# Altium PCB EL6905.PcbDoc (part 2 of 2)
Units mm, origin at the board's own origin, x right, y up, seen from the top; angles counter-clockwise.
Board outline 61 x 34 mm, 6 copper layers (L1_TOP, L2_GND, L3_HS, L4_POWER, L5_GND, L6_BOT), stack 1.565 mm thick; 99 components, 73 nets, 328 pads, 161 vias.
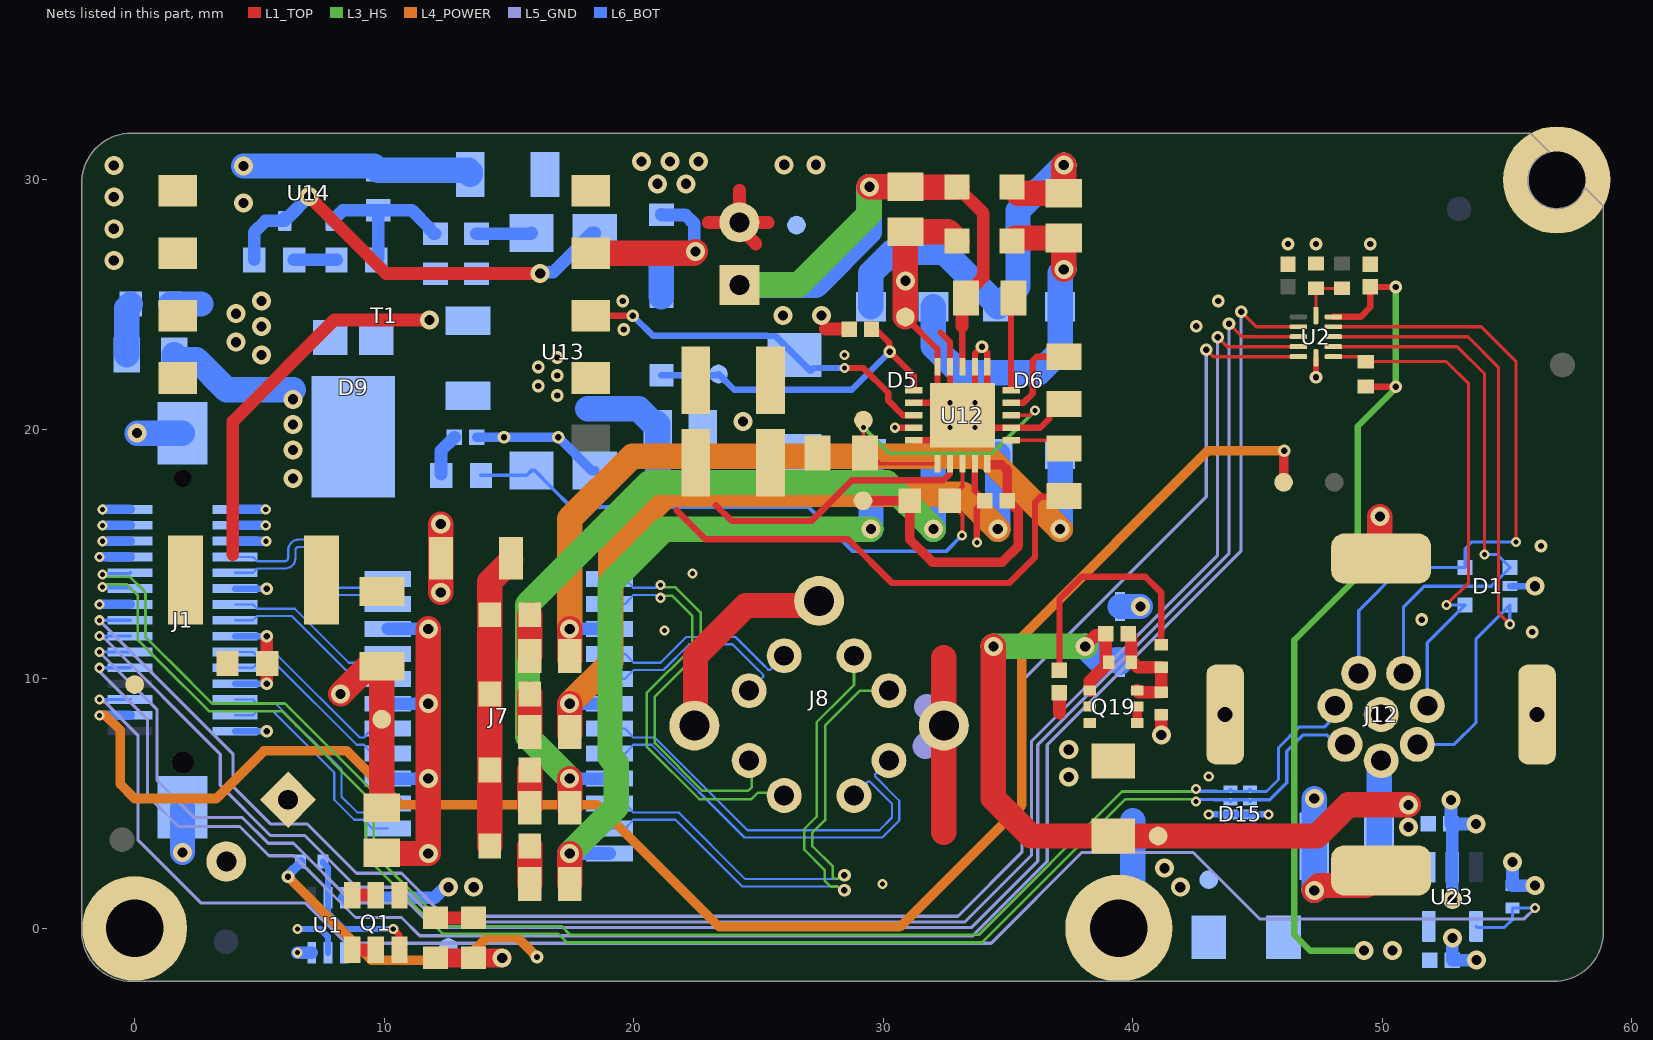
[diagram p6: the nets of this part, all layers, seen from the top]

## Via types
v1: diameter 0.762, hole 0.406, L1_TOP to L6_BOT, tented both sides, 76 vias
v2: diameter 0.406, hole 0.203, L1_TOP to L6_BOT, tented both sides, 46 vias
v3: diameter 0.508, hole 0.254, L1_TOP to L6_BOT, tented both sides, 39 vias

## Nets (pads, with @x,y where several pads share a name; then routed paths per layer and width w, separated by ;. In a path a pad name is that pad's centre, name@x,y a point inside that pad or via, vN(x,y) a via of type N, cw(c..) or ccw(c..) an arc to the next point about the centre after c; other vN are vias at no path point) (continued)
3V3: J1.29 TP4.1 | length 68.2
  L1_TOP w0.381: TP4.1@46.05,17.882 46.063,17.894 46.063,19.139 v3(46.076,19.152)
  L4_POWER w0.381: v2@-1.407,8.54 -1.174,8.54 -0.58,7.946 -0.58,5.787 0,5.207 3.277,5.207 5.182,7.112 8.509,7.112 10.668,4.953 18.542,4.953 23.432,0.063 30.67,0.063 35.56,4.953 35.56,11.684 43.028,19.152 v3@46.041,19.152
  L6_BOT w0.381: v2(-1.414,8.54) J1.29@-0.18,8.54
5V_PoE: C84.2 C90.1 C92.2 L5.2 Q1.1 Q1.2 Q1.5 Q1.6 R85.2 R90.2 TP28.1 U1.3 | length 17.4
  L1_TOP w0.508: 3.937,14.986 3.937,20.32 8.001,24.384 v1(11.811,24.384) ; Q1.1@8.717,-0.864 Q1.2@9.667,-0.864 ; Q1.6@8.717,1.336 Q1.5@9.667,1.336
  L6_BOT w0.508: v2(6.528,-0.973) U1.3@7.097,-0.973
BOOT/I2S_IN_1V8: J1.24 U2.4 | length 72.4
  L1_TOP w0.127: v3(43.409,23.698) 43.791,23.316 U2.4@46.648,23.316
  L5_GND w0.127: v2(-1.414,11.715) -1.338,11.715 -1.243,11.62 -1.206,11.62 3.429,6.985 3.429,5.735 5.438,3.726 6.815,3.726 8.89,1.651 10.744,1.651 12.135,0.26 33.28,0.26 35.941,2.921 35.941,7.493 43.409,14.961 v3(43.409,23.698)
  L6_BOT w0.127: v2(-1.414,11.715) J1.24@-0.18,11.715
BOOT/I2S_IN_5V: D1.1 J12.1 U2.8 | length 22.6
  L1_TOP w0.127: U2.8@48.048,23.316 53.016,23.316 54.102,22.229 v2(54.102,14.986)
  L6_BOT w0.127: J12.1@50.861,10.225 50.861,12.888 51.689,13.716 54.379,13.716 D1.1@55.129,14.466 54.609,14.986 v2(54.102,14.986)
CAM/SoM_FSYNC_1V8: J1.26 U2.2 | length 74.6
  L1_TOP w0.127: v3(44.348,24.716) 44.948,24.116 U2.2@46.648,24.116
  L5_GND w0.127: v2(-1.414,10.445) -1.36,10.392 -1.36,10.25 0.508,8.382 0.508,5.334 1.756,4.086 4.21,4.086 5.385,2.911 6.378,2.911 8.851,0.438 10.693,0.438 11.422,-0.291 33.593,-0.291 36.576,2.691 36.576,7.366 44.348,15.138 v3(44.348,24.716)
  L6_BOT w0.127: v2(-1.414,10.445) J1.26@-0.18,10.445
CAM/SoM_FSYNC_5V: D1.5 J12.2 U2.10 | length 25.5
  L1_TOP w0.127: U2.10@48.048,24.116 53.973,24.116 55.372,22.717 v2(55.372,15.494)
  L6_BOT w0.127: J12.2@49.061,10.225 49.061,12.739 50.788,14.466 D1.5@53.329,14.466 53.329,15.229 53.594,15.494 v2(55.372,15.494)
CT1: C54.2 D5.2 J7.24 | length 28.9
  L1_TOP w1.016: C54.2@17.437,1.778 v1(17.437,3.005)
  L3_HS w1.016: v1(17.437,3.005) 18.694,4.262 19.304,4.872 19.304,6.604 19.05,6.858 19.05,13.818 21.234,16.002 v1(29.515,16.002)
  L6_BOT w0.508: v1(17.437,3.005) J7.24@19.034,3.005
  L6_BOT w1.016: v1(29.515,16.002) D5.2@29.515,19.017
CT2: C53.2 D5.3 J7.21 | length 32.5
  L1_TOP w1.016: C53.2@17.437,4.84 v1(17.437,6.005)
  L3_HS w1.016: v1(17.437,6.005) 15.748,7.694 15.748,12.979 20.644,17.876 30.141,17.876 v1(32.015,16.002)
  L6_BOT w0.508: v1(17.437,6.005) J7.21@19.034,6.005
  L6_BOT w1.016: v1(32.015,16.002) D5.3@32.015,19.017
EROUT: R84.1 R86.2 U12.3 U13.4 | length 24.3
  L1_TOP w0.15: v2(33.162,15.756) 33.178,15.771 33.178,16.574 32.661,17.091 32.661,17.191 33.178,17.708 U12.3@33.178,18.62
  L6_BOT w0.15: R86.2@13.881,18.161 15.717,18.161 U13.4@15.906,18.35 16.036,18.35 16.721,17.665 17.495,16.891 27.012,16.891 28.79,15.113 32.519,15.113 v2(33.162,15.756)
GND: C1.1 C2.1 C3.2 C4.1 C50.1 C55.1 C90.2 C91.1 C92.1 C99.2 C119.1 C120.2 C121.1 D1.2 D15.3 D15.8 D20.1 J1.1 J1.4 J1.7 J1.10 J1.13 J1.19 J1.22 J1.P1 J1.P2 J8.9 J12.8 J12.9 J12.10 J12.11 J12.12 pad. R4.2 R91.1 R106.2 R138.1 T1.9 T1.10 TP30.1 U1.2 U2.6 U14.3 U23.2 | length 84.1
  L1_TOP w0.254: v3(47.348,22.098) U2.6@47.348,22.866
  L1_TOP w0.508: v3(5.292,9.81) 5.292,10.588 C92.1@5.321,10.617 5.292,10.647 v3(5.292,11.715) ; v1(41.148,7.747) R138.1@41.148,8.567
  L1_TOP w0.762: C1.1@12.065,-1.181 C2.1@13.462,-1.181 ; C2.1@13.589,-1.181 v1(14.732,-1.181)
  L1_TOP w1.016: v1(8.255,9.398) 9.295,10.438 9.839,10.438 C91.1@9.906,10.505 C50.1@9.906,4.837 ; v1(12.268,13.462) 12.268,14.821 C55.1@12.281,14.834 12.268,14.846 v1(12.268,16.205) ; J8.9@22.432,8.129 J8.9@22.62,7.94 ; J8.9@22.479,8.176 22.479,10.922 24.497,12.94 27.244,12.94 J8.9@27.432,13.129 ; 32.432,3.857 J8.9@32.432,8.129 32.432,10.842 ; v1(47.281,1.524) 47.479,1.722 49.359,1.722 J12.9@49.834,2.197 ; J12.11@49.911,14.774 v1(49.911,16.51)
  L5_GND w1.016: 31.688,7.304 J8.9@32.432,8.048 ; 31.75,8.89 32.432,8.208 J8.9@32.432,8.129
  L6_BOT w0.254: J1.1@4.02,7.905 v3(5.292,7.905) ; J1.4@4.02,9.81 v3(5.292,9.81) ; J1.7@4.02,11.715 v3(5.292,11.715) ; J1.10@4.02,13.62 v3(5.292,13.62) ; v2(6.528,-0.025) 7.442,-0.025 7.747,-0.33 U1.2@7.747,-0.973 ; v2(43.052,4.56) 43.064,4.572 D15.8@43.924,4.572 D15.3@44.704,4.572 v2(45.444,4.572) ; D1.2@55.129,13.716 v1(56.134,13.716)
  L6_BOT w0.381: v2(-1.414,12.985) J1.22@-0.18,12.985 ; v2(-1.414,14.89) J1.19@-0.18,14.89 ; J1.13@4.039,15.519 v2(5.272,15.519)
  L6_BOT w0.508: v1(52.758,5.154) C121.1@52.758,4.187 ; v1(52.816,-0.381) C119.1@52.816,-1.27 v1(53.777,-1.27) ; v1(52.816,1.159) U23.2@52.816,2.451 52.816,4.129 C121.1@52.758,4.187 ; v1(53.766,4.187) C121.1@52.758,4.187 ; v1(55.229,2.667) R106.2@55.229,1.716 v1(56.134,1.716)
  L6_BOT w1.016: v1(0.092,19.85) J1.P2@1.92,19.85 ; v1(1.92,3.05) J1.P1@1.92,4.85 ; v1(4.363,30.56) U14.3@6.969,30.56 9.59,30.56 R91.1@9.763,30.387 13.379,30.387 13.446,30.32 C99.2@13.446,30.222 ; pad.@39.45,0 ccw(c39.45,0.555) 40.005,0.555 40.005,4.318 ; D20.1@39.497,12.903 v1(40.31,12.903) ; v1(47.281,1.524) v1(47.281,5.207)
  other v1: -0.838,26.772 -0.838,28.042 4.363,29.083 -0.838,29.312 -0.838,30.582
  other v2: 29.972,1.778 43.052,6.096 21.234,11.938 22.352,14.224
  other v3: 56.018,11.88 51.589,12.378 56.371,15.329 42.545,24.13 43.434,25.146 46.228,27.432 47.348,27.432 49.53,27.432
HSO: R89.2 U12.10 | length 3.7
  L1_TOP w0.254: U12.10@35.128,21.57 35.128,25.173 R89.2@35.224,25.269
IO3/WS_1V8: J1.23 U2.5 | length 72
  L1_TOP w0.127: v3(42.951,23.19) 43.226,22.916 U2.5@46.648,22.916
  L5_GND w0.127: v2(-1.414,12.35) 3.937,6.999 3.937,5.693 5.439,4.191 6.909,4.191 8.89,2.21 10.693,2.21 12.414,0.489 33.001,0.489 35.56,3.048 35.56,9.906 42.951,17.297 v3(42.951,23.19)
  L6_BOT w0.127: v2(-1.414,12.35) J1.23@-0.18,12.35
IO3/WS_5V: D1.4 J12.7 R5.2 U2.7 | length 20.5
  L1_TOP w0.127: U2.7@48.048,22.916 49.149,22.916 R5.2@49.348,22.717 52.581,22.717 53.467,21.831 53.467,13.855 v2(52.578,12.966)
  L6_BOT w0.127: J12.7@51.811,8.925 51.811,11.448 D1.4@53.329,12.966 v2(52.578,12.966)
ISNS: R83.1 TP31.1 U12.1 U12.8 | length 13.4
  L1_TOP w0.15: TP31.1@29.21,20.371 29.21,19.316 29.194,19.3 29.874,18.62 U12.1@32.178,18.62 ; U12.8@35.128,20.57 35.868,20.57 36.05,20.752 v2(36.085,20.752)
  L3_HS w0.15: v2(29.21,20.074) 30.234,19.05 34.383,19.05 v2(36.085,20.752)
MD1_N: J1.3 J7.3 | length 8.8
  L6_BOT w0.089: J1.3@4.02,9.175 4.745,9.175 4.916,9.004 5.658,9.004 8.293,6.369 8.293,5.277 8.919,4.651 9.196,4.651 9.248,4.703 9.248,4.729 9.524,5.005 J7.3@10.144,5.005
MD1_P: J1.2 J7.2 | length 8.8
  L6_BOT w0.089: J1.2@4.02,8.54 4.745,8.54 4.916,8.711 5.537,8.711 8.001,6.248 8.001,5.156 8.798,4.359 9.196,4.359 9.248,4.307 9.248,4.281 9.524,4.005 J7.2@10.144,4.005
MD2_N: J1.6 J7.6 | length 7.7
  L6_BOT w0.089: J1.6@4.02,11.08 4.745,11.08 4.916,10.909 5.761,10.909 9.018,7.651 9.196,7.651 9.248,7.703 9.248,7.729 9.524,8.005 J7.6@10.144,8.005
MD2_P: J1.5 J7.5 | length 7.7
  L6_BOT w0.089: J1.5@4.02,10.445 4.745,10.445 4.916,10.616 5.64,10.616 8.897,7.359 9.196,7.359 9.248,7.307 9.248,7.281 9.524,7.005 J7.5@10.144,7.005
MD3_N: J1.9 J7.9 | length 7.2
  L6_BOT w0.089: J1.9@4.02,12.985 4.745,12.985 4.916,12.814 6.414,12.814 8.577,10.651 9.17,10.651 9.248,10.729 9.524,11.005 J7.9@10.144,11.005
MD3_P: J1.8 J7.8 | length 7.2
  L6_BOT w0.089: J1.8@4.02,12.35 4.745,12.35 4.916,12.521 6.293,12.521 8.456,10.359 9.15,10.359 9.504,10.005 J7.8@10.144,10.005
MD4_N: J1.12 J7.12 | length 8.3
  L6_BOT w0.089: J1.12@4.02,14.89 4.745,14.89 4.916,14.719 5.826,14.719 6.017,14.719 ccw(c6.017,14.854) 6.153,14.854 6.153,15.157 cw(c6.581,15.157) 6.581,15.585 6.852,15.585 cw(c6.852,15.157) 7.28,15.157 7.28,14.373 ccw(c7.416,14.373) 7.32,14.277 7.946,13.651 8.249,13.651 9.196,13.651 9.248,13.703 9.248,13.729 9.524,14.005 J7.12@10.144,14.005
MD4_P: J1.11 J7.11 | length 8.3
  L6_BOT w0.089: J1.11@4.02,14.255 4.745,14.255 4.916,14.426 5.826,14.426 6.017,14.426 ccw(c6.017,14.854) 6.445,14.854 6.445,15.157 cw(c6.581,15.157) 6.581,15.293 6.852,15.293 cw(c6.852,15.157) 6.988,15.157 6.988,14.373 ccw(c7.416,14.373) 7.113,14.071 7.825,13.359 8.249,13.359 9.196,13.359 9.248,13.307 9.248,13.281 9.524,13.005 J7.11@10.144,13.005
NetC1_2: C1.2 C2.2 Q1.4 R1.1 TP2.1 U1.6 | length 5.7
  L1_TOP w0.508: C1.2@12.065,0.419 C2.2@13.589,0.419
  L6_BOT w0.508: U1.6@8.397,1.227 12.021,1.227 v1@12.445,1.651
  other v1: 12.573,1.651 13.589,1.651 41.91,1.651 41.275,2.413
NetC50_2: C50.2 J7.1 J7.4 J7.7 J7.10 | length 17.2
  L1_TOP w1.016: C50.2@10.033,3.005 v1(11.768,3.005) v1(11.768,6.005) v1(11.768,9.005) v1(11.768,12.005)
  L6_BOT w0.508: J7.1@10.144,3.005 v1(11.768,3.005) ; J7.4@10.144,6.005 v1(11.768,6.005) ; J7.7@10.144,9.005 v1(11.768,9.005) ; J7.10@10.144,12.005 v1(11.768,12.005)
NetC51_1: C51.1 R72.2 | length 1.7
  L1_TOP w1.016: C51.1@15.837,10.922 R72.2@15.837,12.573
NetC52_1: C52.1 R73.2 | length 1.5
  L1_TOP w1.016: C52.1@15.837,7.874 R73.2@15.837,9.398
NetC53_1: C53.1 R74.2 | length 1.5
  L1_TOP w1.016: C53.1@15.837,4.84 R74.2@15.837,6.35
NetC54_1: C54.1 R75.2 | length 1.5
  L1_TOP w1.016: C54.1@15.837,1.778 R75.2@15.837,3.302
NetC55_2: C55.2 R72.1 R73.1 R74.1 R75.1 | length 11.8
  L1_TOP w1.016: R75.1@14.237,3.302 R74.1@14.237,6.35 R73.1@14.237,9.398 R72.1@14.237,12.573 14.237,13.907 C55.2@15.081,14.751
NetC85_1: C85.1 D10.1 R80.1
NetC89_1: C89.1 R81.1 | length 2.1
  L6_BOT w1.016: R81.1@-0.315,22.987 -0.315,24.869 C89.1@-0.165,25.019
NetC91_2: C91.2 D9.1 L5.1 R81.2 | length 5.4
  L6_BOT w1.016: R81.2@1.585,22.987 1.585,22.812 1.602,22.795 2.478,22.795 3.683,21.59 6.35,21.59
  other v1: 6.35,18.034 6.35,19.177 6.35,20.193 6.35,21.209
NetC97_2: C97.2 R86.1 | length 1.7
  L6_BOT w0.508: R86.1@12.281,18.211 12.281,19.15 C97.2@12.816,19.685
NetC98_1: C98.1 U13.2 U14.2 | length 17.4
  L1_TOP w0.508: v1(6.985,29.337) 10.075,26.247 v1(16.256,26.247)
  L6_BOT w0.508: C98.1@4.788,26.797 4.788,27.902 5.246,28.36 U14.2@6.019,28.36 6.019,28.485 6.04,28.506 6.154,28.506 v1(6.985,29.337) ; v1(16.256,26.247) 16.305,26.296 16.771,26.296 17.81,27.335 17.81,27.364 18.316,27.87 U13.2@18.446,27.87
NetC98_2: C98.2 R87.2 | length 1.7
  L6_BOT w0.508: C98.2@6.388,26.797 R87.2@8.09,26.797
NetC124_1: C124.1 Q19.3 R3.1 R137.1 R138.2 | length 4.5
  L1_TOP w0.508: C124.1@39.82,11.811 39.947,11.684 R3.1@39.947,10.726 ; R3.1@39.947,10.668 R3.1@39.947,10.726 ; Q19.3@40.177,9.536 40.246,9.467 R138.2@41.148,9.467 R137.1@41.148,10.472 40.201,10.472 R3.1@39.947,10.726
NetC125_1: C125.1 R137.2 | length 9.6
  L1_TOP w0.254: C125.1@37.068,10.352 37.068,13.192 37.973,14.097 40.513,14.097 41.148,13.462 R137.2@41.148,11.372
NetD11_2: D11.2 R82.1 | length 1.7
  L6_BOT w1.016: D11.2@21.113,25.32 R82.1@21.113,27.013
NetQ1_3: Q1.3 R2.1 U1.5 | length 6
  L1_TOP w0.254: v2(10.363,-0.025) 10.617,-0.279 Q1.3@10.617,-0.864
  L6_BOT w0.254: R2.1@7.547,2.681 7.547,2.631 7.747,2.431 U1.5@7.747,1.227 ; U1.5@7.747,1.227 7.748,0.597 8.37,-0.025 v2(10.363,-0.025)
NetR4_1: R4.1 R6.1 U2.12 | length 2.1
  L1_TOP w0.127: U2.12@47.348,24.566 R4.1@47.348,25.654 R6.1@48.387,25.654
NetR82_2: R82.2 T1.2 | length 6.8
  L1_TOP w1.016: T1.2@18.329,27.062 22.407,27.062 v1(22.479,27.134)
  L6_BOT w0.508: R82.2@21.113,28.613 21.13,28.596 22.077,28.596 22.43,28.243 22.43,27.183 v1(22.479,27.134)
NetR85_1: R85.1 U13.1 | length 2.2
  L6_BOT w0.508: R85.1@13.7,27.847 15.883,27.847 U13.1@15.906,27.87
NetR87_1: R87.1 R90.1 R91.2 U14.1 | length 6.8
  L6_BOT w0.508: U14.1@7.919,28.36 7.919,28.485 7.94,28.506 8.065,28.506 8.346,28.787 R91.2@9.763,28.787 ; R87.1@9.69,26.797 9.763,26.87 R91.2@9.763,28.787 ; R90.1@12.049,27.847 11.999,27.847 11.803,28.043 11.803,28.093 11.109,28.787 R91.2@9.763,28.787
RCL: R92.2 U12.9 | length 3.7
  L1_TOP w0.254: U12.9@35.128,21.07 35.624,21.07 35.992,21.438 35.992,22.758 36.15,22.917 R92.2@37.242,22.917
RDET: R88.2 U12.6 | length 2.3
  L1_TOP w0.15: U12.6@35.128,19.57 36.906,19.57 R88.2@37.242,19.234
SP1: C52.2 D6.2 J7.18 | length 29.7
  L1_TOP w1.016: C52.2@17.437,7.778 C52.2@17.437,7.874 v1(17.437,9.005)
  L4_POWER w1.016: v1(17.437,9.005) 19.075,10.643 19.075,15.138 21.336,17.399 33.198,17.399 v1(34.595,16.002)
  L6_BOT w0.508: v1(17.437,9.005) J7.18@19.034,9.005
  L6_BOT w1.016: v1(34.595,16.002) D6.2@34.595,19.017
SP2: C51.2 D6.3 J7.15 | length 32.2
  L1_TOP w1.016: C51.2@17.437,10.778 C51.2@17.437,10.922 v1(17.437,12.005)
  L4_POWER w1.016: v1(17.437,12.005) 17.437,16.421 19.939,18.923 34.174,18.923 v1(37.095,16.002)
  L6_BOT w0.508: v1(17.437,12.005) J7.15@19.034,12.005
  L6_BOT w1.016: v1(37.095,16.002) D6.3@37.095,19.017
STRB/I2S_SCK_1V8: J1.25 U2.3 | length 73.9
  L1_TOP w0.127: v3(43.866,24.232) 44.382,23.716 U2.3@46.648,23.716
  L5_GND w0.127: v2(-1.414,11.08) 0.889,8.777 0.889,5.947 2.391,4.445 4.318,4.445 5.349,3.414 6.365,3.414 8.763,1.016 10.998,1.016 11.982,0.032 33.535,0.032 36.195,2.691 36.195,7.366 43.866,15.037 v3(43.866,24.232)
  L6_BOT w0.127: v2(-1.414,11.08) J1.25@-0.18,11.08
STRB/I2S_SCK_5V: D1.3 J12.6 U2.9 | length 26.7
  L1_TOP w0.127: U2.9@48.048,23.716 53.442,23.716 54.659,22.498 54.659,12.651 v2(55.118,12.192) ; J12.6@51.284,7.247 J12.6@51.57,7.247
  L6_BOT w0.127: J12.6@51.411,7.375 52.886,7.375 53.766,8.255 53.766,11.603 D1.3@55.118,12.955 ; v2(55.118,12.192) D1.3@55.118,12.955 ; D1.3@55.129,12.966 55.118,12.966 D1.3@55.118,12.955
SWO: D10.2 T1.3 U12.18 | length 14.9
  L1_TOP w0.254: T1.3@18.283,24.562 v3(19.964,24.562) ; v2(28.448,22.462) 29.204,22.462 30.201,21.465 30.201,21.158 30.789,20.57 U12.18@31.228,20.57
  L6_BOT w0.254: v3(19.964,24.562) 20.777,23.749 25.345,23.749 25.349,23.745 25.685,23.745 27.087,22.343 27.206,22.462 v2(28.448,22.462)
  other v2: 28.448,22.987
  other v3: 19.607,24.006 19.558,25.146
TX1_N: J7.22 J8.2 | length 21.1
  L3_HS w0.102: v3(28.448,2.134) 28.338,2.134 28.198,1.994 28.042,1.994 27.982,2.053 27.982,2.478 27.167,3.293 27.167,3.841 27.67,4.344 27.67,8.134 28.609,9.072 29.065,9.529 J8.2@30.232,9.529
  L6_BOT w0.089: J7.22@19.034,5.005 19.654,5.005 19.93,4.729 19.93,4.703 19.982,4.651 21.797,4.651 24.473,1.975 28.186,1.975 28.345,2.134 v3(28.448,2.134)
TX1_P: J7.23 J8.1 | length 21.9
  L3_HS w0.102: v3(28.448,1.524) 28.338,1.524 28.198,1.664 27.905,1.664 27.652,1.917 27.652,2.341 26.837,3.156 26.837,3.977 27.34,4.48 27.34,8.27 28.472,9.402 28.832,9.762 J8.1@28.832,10.929
  L6_BOT w0.089: J7.23@19.034,4.005 19.654,4.005 19.93,4.281 19.93,4.307 19.982,4.359 21.676,4.359 24.352,1.683 28.186,1.683 28.345,1.524 v3(28.448,1.524)
TX2_N: J7.19 J8.4 | length 15.9
  L6_BOT w0.089: J7.19@19.034,8.005 19.654,8.005 19.93,7.729 19.93,7.703 19.982,7.651 20.848,7.651 24.562,3.937 29.845,3.937 30.355,4.447 30.355,4.999 29.466,5.888 29.392,5.888 J8.4@28.832,5.329
TX2_P: J7.20 J8.3 | length 16.6
  L6_BOT w0.089: J7.20@19.034,7.005 19.654,7.005 19.93,7.281 19.93,7.307 19.982,7.359 20.727,7.359 24.441,3.645 29.966,3.645 30.647,4.326 30.647,5.12 29.672,6.095 29.672,6.169 J8.3@30.232,6.729
TX3_N: J7.16 J8.8 | length 8.3
  L6_BOT w0.089: J7.16@19.034,11.005 19.654,11.005 20.008,10.651 21.077,10.651 22.109,11.683 24.085,11.683 25.186,10.581 25.398,10.369 25.472,10.369 J8.8@26.032,10.929
TX3_P: J7.17 J8.7 | length 8.1
  L6_BOT w0.089: J7.17@19.034,10.005 19.654,10.005 20.008,10.359 21.198,10.359 22.23,11.391 23.964,11.391 24.894,10.46 25.192,10.162 25.192,10.088 J8.7@24.632,9.529
TX4_N: J7.13 J8.6 | length 15.9
  L3_HS w0.102: v2@21.253,13.67 21.679,13.67 22.682,12.667 22.682,11.125 20.849,9.292 20.849,7.431 22.765,5.515 24.584,5.515 24.741,5.671 24.741,6.62 J8.6@24.632,6.729
  L6_BOT w0.089: J7.13@19.034,14.005 19.654,14.005 19.93,13.729 19.93,13.703 19.982,13.651 20.888,13.651 20.996,13.759 v2(21.082,13.759)
TX4_P: J7.14 J8.5 | length 16.2
  L3_HS w0.102: v2@21.253,13.34 21.542,13.34 22.352,12.53 22.352,11.262 20.518,9.428 20.518,7.295 22.629,5.184 24.721,5.184 24.818,5.281 24.915,5.378 24.974,5.437 25.923,5.437 J8.5@26.032,5.329
  L6_BOT w0.089: J7.14@19.034,13.005 19.654,13.005 19.93,13.281 19.93,13.307 19.982,13.359 20.888,13.359 20.996,13.251 v2(21.082,13.251)
USB_D_N: D15.2 D15.9 J1.21 J12.4 | length 64
  L3_HS w0.106: v2(-1.293,13.684) -1.212,13.684 -1.113,13.783 -0.321,13.783 0.127,13.335 0.127,11.557 1.016,10.668 2.977,8.707 5.898,8.707 6.477,8.128 9.271,5.334 9.271,2.864 11.973,0.162 12.354,-0.219 16.983,-0.219 17.145,-0.381 17.328,-0.564 33.965,-0.564 39.707,5.179 42.365,5.179 42.464,5.08 v2(42.545,5.08)
  L6_BOT w0.127: v2(-1.293,13.684) -1.262,13.652 -0.212,13.652 J1.21@-0.18,13.62 ; v2(42.545,5.08) 42.621,5.08 42.71,5.169 43.257,5.169 43.269,5.157 43.839,5.157 D15.9@43.924,5.072 44.009,5.157 44.619,5.157 D15.2@44.704,5.072 44.789,5.157 45.502,5.157 46.177,5.832 46.177,7.102 46.822,7.747 47.8,7.747 48.173,7.375 J12.4@48.511,7.375
USB_D_P: D15.1 D15.10 J1.20 J12.3 | length 64
  L3_HS w0.106: v2(-1.293,14.192) -1.212,14.192 -1.113,14.092 -0.192,14.092 0.346,13.554 0.437,13.463 0.437,11.685 1.235,10.887 1.454,10.668 3.105,9.017 6.026,9.017 6.915,8.128 9.581,5.462 9.581,2.992 12.411,0.162 12.482,0.091 17.111,0.091 17.456,-0.254 33.836,-0.254 39.579,5.489 42.365,5.489 42.464,5.588 v2(42.545,5.588)
  L6_BOT w0.127: v2(-1.293,14.192) -1.262,14.223 -0.212,14.223 J1.20@-0.18,14.255 ; v2(42.545,5.588) 42.621,5.588 42.71,5.499 43.394,5.499 43.406,5.487 43.839,5.487 D15.10@43.924,5.572 44.009,5.487 44.619,5.487 D15.1@44.704,5.572 44.789,5.487 45.365,5.487 45.847,5.969 45.847,7.239 46.685,8.077 47.701,8.077 47.868,8.244 47.868,8.681 J12.3@48.111,8.925
VBUS: C125.2 Q19.1 Q19.2 Q19.5 Q19.6 R2.2 R136.2 TP1.1 U1.1 | length 14.3
  L1_TOP w0.381: Q19.1@40.177,8.236 Q19.2@40.177,8.886
  L1_TOP w0.508: 37.068,8.636 C125.2@37.068,9.452
  L4_POWER w0.381: v3(6.147,2.07) 9.487,-1.27 13.208,-1.27 14.097,-0.381 15.367,-0.381 v3(16.129,-1.143)
  L6_BOT w0.381: v3(6.147,2.07) 6.171,2.094 6.171,2.155 6.647,2.631 R2.2@6.647,2.681
  other v1: 37.44,6.071 37.44,7.163
VBUS_SRC_EN_1V8: J1.28 R106.1 U23.4 | length 71.1
  L5_GND w0.127: v2(-1.414,9.175) -1.338,9.175 -1.243,9.08 -1.206,9.08 0.127,7.747 0.127,3.556 2.667,1.016 6.858,1.016 8.47,-0.596 34.329,-0.596 37.973,3.048 42.418,3.048 45.085,0.381 55.699,0.381 v2(56.134,0.816)
  L6_BOT w0.127: v2(-1.414,9.175) J1.28@-0.18,9.175 ; U23.4@53.766,0.081 53.812,0.035 54.899,0.035 55.229,0.365 R106.1@55.229,0.816 v2(56.134,0.816)
VBUSIN: C120.1 C121.2 C124.2 D20.2 J12.5 Q19.4 R3.2 R136.1 TP6.1 U23.1 | length 36.2
  L1_TOP w0.508: v1(38.1,11.303) 38.1,11.33 38.525,11.755 38.864,11.755 C124.2@38.92,11.811 38.92,10.795 R3.2@39.047,10.668 38.277,9.898 Q19.4@38.277,9.536
  L1_TOP w1.016: v1(34.417,11.303) 34.417,5.207 35.921,3.703 R136.1@39.227,3.703 TP6.1@41.021,3.703 47.391,3.703 48.641,4.953 v1(51.054,4.953)
  L3_HS w1.016: v1(34.417,11.303) v1(38.1,11.303)
  L6_BOT w1.016: v1(38.1,11.303) 38.659,10.744 39.421,10.744 D20.2@39.497,10.668 ; J12.5@49.834,6.597 49.881,6.55 C120.1@49.881,3.298
  other v1: 51.054,4.064
VDD: C96.2 R84.2 TP32.1 U12.5 | length 12.5
  L1_TOP w0.381: TP32.1@29.194,17.141 R84.2@31.061,17.141 31.061,15.599 31.979,14.681 34.773,14.681 35.42,15.329 35.42,16.726 35.125,17.022 35.098,17.022 35.005,17.114 C96.2@35.005,17.141 ; U12.5@34.243,18.582 34.755,18.582 34.978,18.359 C96.2@34.978,17.141
VDD_5V: C3.1 C119.2 J1.14 J1.15 J1.16 J1.17 J1.18 R1.2 R5.1 U2.11 U23.5 | length 41.2
  L1_TOP w0.254: U2.11@48.048,24.516 49.154,24.516 49.53,24.892 C3.1@49.53,25.712 v3(50.546,25.712) ; R5.1@49.348,21.717 v3(50.546,21.717)
  L3_HS w0.254: v1(49.276,-0.889) 47.117,-0.889 46.482,-0.254 46.482,11.557 49.022,14.097 49.022,20.124 50.546,21.648 v3(50.546,21.717) v3(50.546,25.712)
  L6_BOT w0.381: v2(-1.293,15.518) -1.287,15.518 -1.28,15.525 J1.18@-0.18,15.525 ; v2(-1.293,16.153) -1.287,16.153 -1.28,16.16 J1.17@-0.18,16.16 ; v2(-1.293,16.788) -1.287,16.788 -1.28,16.795 J1.16@-0.18,16.795 ; J1.14@4.02,16.16 5.24,16.16 5.247,16.153 v2(5.254,16.153) ; J1.15@4.02,16.795 v2(5.254,16.795)
  other v1: 50.419,-0.889
VNEG: C95.1 FB10.2 R92.1 TP5.1 U12.7 U12.11 U12.12 U12.14 U12.15 U12.17 U12.20 U12.21 | length 25.7
  L1_TOP w0.25: TP5.1@30.892,24.507 32.178,23.221 U12.15@32.178,22.52 32.178,21.57 v2(32.678,21.07) ; U12.20@31.228,19.57 32.178,19.57 v2(32.678,20.07) ; U12.17@31.228,21.07 v2(32.678,21.07) ; 32.309,23.876 32.678,23.507 U12.14@32.678,22.52 v2(32.678,21.07) ; U12.21@33.178,20.57 v2(32.678,21.07) ; v2(33.678,20.07) U12.7@35.128,20.07 36.301,20.07 36.667,20.436 36.667,20.617 37.067,21.017 R92.1@37.242,21.017 ; v2(33.678,21.07) 33.678,23.042 33.953,23.317 v3(33.96,23.317) 33.96,23.292 34.178,23.074 34.178,21.57 v2(33.678,21.07)
  L1_TOP w1.016: TP5.1@30.892,24.507 v1(30.892,25.959) ; v1@30.892,26.06 v1(30.892,25.959) ; FB10.2@32.967,27.555 32.597,27.925 C95.1@30.892,27.925 v1(30.892,25.959)
VNEG_IN: C94.1 D5.4 D6.4 FB10.1 | length 14.2
  L1_TOP w1.016: FB10.1@35.167,27.555 35.283,27.671 C94.1@37.242,27.671 v1(37.242,26.416)
  L6_BOT w1.016: D5.4@32.015,24.917 32.015,23.332 33.071,22.276 36.246,22.276 37.095,23.125 D6.4@37.095,24.917 37.095,26.269 v1(37.242,26.416)
VPOS: C84.1 C85.2 C86.1 C87.2 C88.2 C95.2 FB9.2 R80.2 R88.1 R89.1 T1.4 TP27.1 U12.2 U12.13 | length 62.5
  L1_TOP w0.254: 21.717,16.764 22.882,15.599 28.6,15.599 30.356,13.843 35.052,13.843 36.085,14.876 36.085,17.081 36.31,17.306 37.213,17.306 R88.1@37.242,17.334 ; 23.292,16.967 23.927,16.332 27.126,16.332 28.752,17.958 32.41,17.958 32.678,18.225 U12.2@32.678,18.62 ; 33.162,24.141 33.178,24.125 U12.13@33.178,22.52
  L1_TOP w0.508: FB9.2@32.967,29.714 34.011,28.67 34.011,26.111 33.614,25.715 33.595,25.715 33.324,25.444 R89.1@33.324,25.269 33.162,25.107 33.162,24.141
  L1_TOP w1.016: v1(29.45,29.725) C95.2@30.892,29.725 30.903,29.714 FB9.2@32.967,29.714
  L3_HS w1.016: C86.1@24.241,25.797 26.61,25.797 29.45,28.637 v1(29.45,29.725)
  L6_BOT w1.016: 18.161,20.828 20.198,20.828 20.747,20.279 20.897,20.279 20.964,20.212 C85.2@20.964,20.062 20.964,18.103 R80.2@21.037,18.03 ; C86.1@24.241,25.797 24.261,25.777 TP27.1@26.527,25.777 27.301,25.777 29.45,27.926 v1(29.45,29.725)
  other v3: 16.942,21.361 16.18,21.742 16.942,22.159 16.18,22.504 16.942,22.885
VPOS_IN: C94.2 D5.1 D6.1 FB9.1 | length 17.8
  L1_TOP w1.016: FB9.1@35.167,29.714 35.41,29.471 C94.2@37.242,29.471 v1(37.242,30.602)
  L6_BOT w1.016: D5.1@29.515,24.917 29.502,24.93 29.502,26.253 30.35,27.102 32.461,27.102 34.503,25.06 34.503,25.009 34.517,24.995 D6.1@34.568,24.995 ; D6.1@34.595,24.917 35.408,25.73 35.408,28.768 v1(37.242,30.602)
VSEC: C89.2 D9.2 T1.7 T1.8 | length 1.2
  L6_BOT w1: C89.2@1.435,25.019 2.667,25.019
  other v1: 5.08,22.987 4.064,23.495 5.08,24.13 4.064,24.638 5.08,25.146
VSS: C86.2 C87.1 C88.1 C93.1 C96.1 C97.1 C99.1 R83.2 T1.1 TP33.1 U12.4 U12.19 U13.3 | length 15.3
  L1_TOP w0.254: v2(30.48,20.07) U12.19@31.228,20.07 ; U12.4@33.678,18.62 33.678,17.541 C96.1@34.078,17.141 33.759,16.822 v2(33.759,15.473)
  L1_TOP w0.508: 22.987,28.297 C86.2@24.241,28.297 ; 24.241,29.591 C86.2@24.241,28.297 ; 24.892,27.432 24.892,27.453 24.241,28.104 C86.2@24.241,28.297 ; 25.4,28.297 C86.2@24.241,28.297 ; 27.686,24.022 C93.1@28.633,24.022
  L6_BOT w0.381: C97.1@13.716,19.685 v3(14.803,19.685) v3(16.981,19.685) 18.316,18.35 U13.3@18.446,18.35
  other v1: 24.384,20.32 25.984,24.562 27.534,24.562 20.955,29.845 22.098,29.845 26.035,30.607 27.305,30.607 20.32,30.734 21.463,30.734 22.606,30.734
VT15V: C93.2 D11.1 TP29.1 U12.16 | length 13.6
  L1_TOP w0.254: C93.2@29.533,24.022 29.699,23.856 29.699,24.022 30.243,23.478 30.243,23.132 v3(30.265,23.11) 31.228,22.147 U12.16@31.228,21.57
  L6_BOT w0.254: D11.1@21.113,22.17 23.348,22.17 TP29.1@23.399,22.221 24.03,21.59 28.745,21.59 v3(30.265,23.11)
pads on no net: D15.4 D15.5 D15.6 D15.7 FID1.1 FID2.1 FID3.1 FID4.1 J1.27 J1.C1 J1.C2 T1.5 T1.6 U1.4 U23.3

## Polygon pours and split planes (outlines as drawn)
GND on L1_TOP "GND_L01_P027" (solid, remove dead copper, pour order 27): 19.939,0 19.939,11.938 36.015,11.938 41.656,17.579 41.656,31.877 41.783,32.004 58.928,32.004 58.928,-2.286 14.732,-2.286 14.732,-0.381 15.113,0
SWO on L1_TOP "SWO_L01_P035" (solid, pour order 35): 31.228,20.752 31.013,20.752 30.48,21.285 30.48,21.619 28.985,23.114 27.94,23.114 27.94,22.225 28.448,21.717 29.152,21.717 30.549,20.32 31.228,20.32
VPOS on L1_TOP "VPOS_L01_P011" (solid, pour order 11): 15.494,23.495 15.367,23.368 15.367,21.082 15.621,20.828 17.907,20.828 20.066,20.828 20.447,20.447 20.447,16.764 20.574,16.637 23.368,16.637 23.622,16.891 23.622,23.368 25.273,25.019 25.273,26.543 25.019,26.797 23.495,26.797 20.193,23.495
5V_PoE on L1_TOP "5V_POE_L01_P000" (solid, pour order 0): 4.445,9.525 4.826,9.144 7.239,9.144 8.611,7.772 8.611,2.692 8.611,2.261 8.788,2.083 9.881,2.083 10.033,1.93 10.033,-1.397 9.957,-1.473 6.426,-1.473 4.937,0.016 4.937,3.064 3.81,4.191 -0.381,4.191 -0.762,4.572 -0.762,16.256 3.937,16.256 4.445,15.748
VBUSIN on L1_TOP "VBUSIN_L01_P026" (solid, pour order 26): 48.387,5.461 51.435,5.461 51.562,5.334 51.562,3.854 51.411,3.703 48.006,3.703 48.006,5.049 48.111,5.154
NetC1_2 on L1_TOP "NETC1_2_L01_P025" (solid, pour order 25): 10.414,2.032 10.287,1.905 10.287,0.635 10.947,-0.025 14.351,-0.025 14.605,0.229 14.605,1.905 14.478,2.032
VBUS on L1_TOP "VBUS_L01_P017" (solid, pour order 17): 40.31,8.966 40.386,8.89 40.386,5.842 40.132,5.588 35.56,5.588 35.306,5.842 35.306,8.763 35.509,8.966
VNEG on L1_TOP "VNEG_L01_P014" (solid, pour order 14): 30.378,24.816 30.378,23.825 31.166,23.038 32.791,23.038 32.868,23.114 32.868,23.495 31.547,24.816
VSS on L1_TOP "VSS_L01_P012" (solid, pour order 12): 25.654,26.757 25.654,24.892 24.003,23.241 24.003,16.891 24.257,16.637 27.686,16.637 27.94,16.891 27.94,30.734 27.559,31.115 22.352,31.115 21.971,30.734 21.971,28.297 22.63,28.297 23.749,27.178 25.233,27.178
VSS on L1_TOP "VSS_L01_P009" (solid, pour order 9): 17.78,31.115 16.815,30.15 16.815,29.286 17.804,28.297 22.733,28.297 22.987,28.551 22.987,30.988 22.86,31.115
VSEC on L1_TOP "VSEC_L01_P004" (solid, pour order 4): 5.461,25.273 5.207,25.527 -1.143,25.527 -1.397,25.273 -1.397,21.209 -1.143,20.955 5.207,20.955 5.461,21.209
GND on L1_TOP "GND_L01_P003" (solid, pour order 3): -1.143,31.242 -1.397,30.988 -1.397,26.4 -1.032,26.035 5.08,26.035 5.461,26.416 5.461,30.958 5.177,31.242
NetC91_2 on L1_TOP "NETC91_2_L01_P002" (solid, pour order 2): 5.969,12.827 5.969,21.463 6.477,21.971 10.541,21.971 11.303,21.209 11.303,12.827 10.541,12.065 6.731,12.065
GND on L6_BOT "GND_L06_P032" (solid, remove dead copper, pour order 32): 58.928,28.956 56.007,31.877 39.37,31.877 39.37,-2.159 56.827,-2.159 ccw(c56.827,-0.096) 58.89,-0.096
SWO on L6_BOT "SWO_L06_P034" (solid, pour order 34): 28.575,22.606 27.305,23.876 21.082,23.876 19.431,25.527 18.542,25.527 18.542,23.876 19.431,22.987 24.003,22.987 24.892,22.098 27.305,22.098
GND on L6_BOT "GND_L06_P033" (solid, pour order 33): 42.037,14.224 21.844,14.224 21.844,-2.159 39.751,-2.159
NetC1_2 on L6_BOT "NETC1_2_L06_P024" (solid, pour order 24): 13.843,1.27 14.097,1.524 14.097,2.032 13.843,2.286 8.379,2.286 8.255,2.162 8.255,0.559 8.433,0.381 11.43,0.381 12.319,1.27
VDD_5V on L6_BOT "VDD_5V_L06_P021" (solid, pour order 21): 51.943,1.143 52.197,0.889 52.197,-1.524 45.339,-1.524 45.085,-1.27 45.085,0.895 45.333,1.143
VBUSIN on L6_BOT "VBUSIN_L06_P020" (solid, pour order 20): 51.822,5.455 52.121,5.156 52.121,1.767 51.878,1.524 49.022,1.524 48.895,1.651 48.895,5.328 49.022,5.455
NetC1_2 on L6_BOT "NETC1_2_L06_P019" (solid, pour order 19): 41.021,2.921 40.767,2.667 40.767,-1.016 41.148,-1.397 43.815,-1.397 43.942,-1.27 43.942,2.413 43.434,2.921
VBUS on L6_BOT "VBUS_L06_P016" (solid, pour order 16): 34.519,-1.524 38.227,2.184 38.227,7.391 37.948,7.671 35.357,7.671 35.103,7.417 35.103,3.173 32.791,0.889 12.727,0.889 11.156,-0.305 8.382,-0.305 8.306,-0.381 8.306,-1.499 8.331,-1.524
NetC85_1 on L6_BOT "NETC85_1_L06_P013" (solid, pour order 13): 22.352,20.955 22.098,20.701 22.098,17.551 22.25,17.399 27.774,17.399 28.028,17.653 28.028,20.867 27.94,20.955
VPOS on L6_BOT "VPOS_L06_P010" (solid, pour order 10): 18.669,22.86 18.669,20.701 18.288,20.32 17.526,20.32 11.557,20.32 11.303,20.574 11.303,23.114 11.43,23.241 18.288,23.241
VSS on L6_BOT "VSS_L06_P008" (solid, pour order 8): 15.748,31.623 15.621,31.496 15.621,29.21 15.748,29.083 21.463,29.083 23.495,27.051 26.924,27.051 28.448,28.575 28.448,31.369 28.194,31.623
5V_PoE on L6_BOT "5V_POE_L06_P007" (solid, pour order 7): 11.503,26.87 11.303,26.67 11.303,23.811 11.43,23.684 14.413,23.684 14.605,23.876 14.605,26.743 14.478,26.87
VSEC on L6_BOT "VSEC_L06_P006" (solid, pour order 6): 10.795,22.86 10.541,22.606 3.937,22.606 2.667,23.876 2.667,25.527 2.794,25.654 10.541,25.654 10.795,25.4
NetC91_2 on L6_BOT "NETC91_2_L06_P005" (solid, remove dead copper, pour order 5): 10.668,22.098 10.795,21.971 10.795,16.891 10.668,16.764 5.823,16.764 5.569,17.018 5.569,21.825 5.842,22.098
GND on L3_HS "GND_L03_P029" (solid, remove dead copper, pour order 29): 8.636,31.758 8.636,22.098 15.113,15.621 40.259,15.621 41.529,16.891 41.529,31.75 41.783,31.92 58.928,32.004 58.928,-2.286 -1.905,-2.286 -2.159,-2.032 -2.159,32.004 6.731,32.004 6.985,31.75
VNEG on L3_HS "VNEG_L03_P015" (solid, pour order 15): 31.75,19.558 31.242,20.066 31.242,23.368 29.972,24.638 29.972,27.52 30.265,27.813 34.671,27.813 35.306,27.178 35.306,20.65 34.214,19.558
VDD_5V on L4_POWER "VDD_5V_L04_P022" (solid, pour order 22): 47.168,21.514 47.803,20.879 47.803,16.942 44.704,13.843 44.704,-0.965 46.101,-2.362 58.699,-2.362 59.411,-1.651 59.411,21.666 59.436,21.666 59.436,32.131 -2.286,31.75 -2.286,15.621 -1.778,15.113 13.716,15.113 20.117,21.514
GND on L4_POWER "GND_L04_P030" (solid, pour order 30): 20.701,10.033 18.796,8.128 18.796,5.715 23.749,0.762 30.535,0.762 34.671,4.898 34.671,11.43 31.242,14.859 21.463,14.859 20.701,14.097
NetC1_2 on L4_POWER "NETC1_2_L04_P018" (solid, pour order 18): 34.925,-1.524 37.719,1.27 42.164,1.27 42.672,1.778 42.672,3.81 41.148,5.334 37.973,5.334 33.02,0.381 24.511,0.381 22.733,2.159 12.065,2.159 11.938,2.032 11.938,-0.127 12.192,-0.381 14.859,-0.381 16.002,-1.524
GND on L5_GND "GND_L05_P023" (solid, remove dead copper, pour order 23): 7.62,31.856 7.62,21.336 13.589,15.367 13.589,3.226 15.418,1.397 31.242,1.397 34.036,4.191 34.036,9.779 41.021,16.764 41.021,31.87 58.826,31.877 58.826,-2.007 58.903,-2.083 -2.083,-2.083 -2.083,31.852
VSS on L5_GND "VSS_L05_P028" (solid, pour order 28): 15.113,16.205 28.626,16.205 34.353,10.477 40.513,16.637 40.513,32.004 26.289,31.877 10.414,31.877 10.16,31.623 10.16,22.352 15.113,17.399
GND on L5_GND "GND_L05_P031" (solid, pour order 31): 11.557,14.605 11.557,0.762 32.258,0.762 34.671,3.175 34.671,8.255 28.321,14.605
VSS on L2_GND (split plane): 39.622,17.567 33.359,11.304 28.682,15.982 28.605,16.045 28.516,16.093 28.421,16.122 28.321,16.131 15.705,16.131 14.975,16.862 14.979,16.885 14.988,17.018 14.979,17.151 14.953,17.282 14.911,17.408 14.852,17.527 14.778,17.638 14.69,17.738 9.908,22.52 9.908,31.363 39.622,31.363
GND on L2_GND (split plane): -0.127,31.363 7.872,31.363 7.872,22.098 7.881,21.965 7.907,21.834 7.949,21.708 8.008,21.589 8.082,21.478 8.17,21.378 13.25,16.298 13.35,16.21 13.461,16.136 13.58,16.077 13.706,16.035 13.837,16.009 13.97,16 14.103,16.009 14.234,16.035 14.327,16.066 15.133,15.26 15.21,15.197 15.299,15.149 15.394,15.12 15.494,15.111 28.11,15.111 32.703,10.517 32.672,10.424 32.646,10.293 32.637,10.16 32.646,10.027 32.672,9.896 32.714,9.77 32.773,9.651 32.847,9.54 32.935,9.44 33.035,9.352 33.146,9.278 33.265,9.219 33.391,9.177 33.522,9.151 33.655,9.142 33.788,9.151 33.919,9.177 34.045,9.219 34.164,9.278 34.275,9.352 34.375,9.44 41.36,16.425 41.448,16.525 41.522,16.636 41.581,16.755 41.623,16.881 41.649,17.012 41.658,17.145 41.658,31.363 55.738,31.363 55.879,31.222 55.826,31.174 55.717,31.053 55.62,30.922 55.536,30.783 55.466,30.635 55.411,30.482 55.372,30.324 55.348,30.163 55.34,30 55.348,29.837 55.372,29.676 55.411,29.518 55.466,29.365 55.536,29.217 55.62,29.078 55.717,28.947 55.826,28.826 55.947,28.717 56.078,28.62 56.217,28.536 56.365,28.466 56.518,28.411 56.676,28.372 56.837,28.348 57,28.34 57.163,28.348 57.324,28.372 57.482,28.411 57.635,28.466 57.783,28.536 57.922,28.62 58.053,28.717 58.174,28.826 58.222,28.879 58.363,28.738 58.363,-0.127 58.364,-0.142 58.355,-0.294 58.327,-0.459 58.281,-0.62 58.217,-0.774 58.136,-0.921 58.039,-1.057 57.928,-1.182 57.803,-1.293 57.667,-1.39 57.52,-1.471 57.366,-1.535 57.205,-1.581 57.04,-1.609 56.888,-1.618 56.873,-1.617 -0.127,-1.617 -0.142,-1.618 -0.294,-1.609 -0.459,-1.581 -0.62,-1.535 -0.774,-1.471 -0.921,-1.39 -1.057,-1.293 -1.182,-1.182 -1.293,-1.057 -1.39,-0.921 -1.471,-0.774 -1.535,-0.62 -1.581,-0.459 -1.609,-0.294 -1.618,-0.142 -1.617,-0.127 -1.617,29.873 -1.618,29.888 -1.609,30.04 -1.581,30.205 -1.535,30.366 -1.471,30.52 -1.39,30.667 -1.293,30.803 -1.182,30.928 -1.057,31.039 -0.921,31.136 -0.774,31.217 -0.62,31.281 -0.459,31.327 -0.294,31.355 -0.142,31.364

## Keep-outs
L3_HS:
  lines w2.032: 9.042,32.893 9.042,21.895 14.021,16.916 ; 40.564,17.089 40.564,34.823
L5_GND:
  lines w1.016: 14.021,15.589 28.368,15.589 33.147,10.81
  lines w2.032: 9.042,32.893 9.042,21.895 14.021,16.916 ; 33.655,10.126 40.564,17.089 40.564,34.823
Keep-Out Layer:
  lines w0.127: -2.127,-0.127 ccw(c-0.127,-0.127) -0.127,-2.127 56.873,-2.127 ccw(c56.873,-0.127) 58.873,-0.127 58.873,28.95 58.113,29.71 55.95,31.873 -0.127,31.873 ccw(c-0.127,29.873) -2.127,29.873 -2.127,-0.127

## Other copper
L1_TOP:
  region net SWO: 18.034,24.892 18.542,25.4 19.685,25.4 20.193,24.892 20.193,24.257 19.812,23.876 18.415,23.876 18.034,24.257
  region net GND: 54.483,31.369 55.118,31.369 55.499,30.988 55.499,28.829 55.88,28.448 58.42,28.448 58.42,27.432 54.483,27.432
L3_HS:
  region net GND: 54.483,31.369 55.118,31.369 55.753,30.734 55.753,29.21 56.388,28.575 58.42,28.575 58.42,27.432 54.483,27.432
L4_POWER:
  region net GND: 54.483,31.369 55.118,31.369 55.753,30.734 55.753,29.21 56.388,28.575 58.42,28.575 58.42,27.432 54.483,27.432
L5_GND:
  region net GND: 54.483,31.369 55.118,31.369 55.753,30.734 55.753,29.21 56.388,28.575 58.42,28.575 58.42,27.432 54.483,27.432
L6_BOT:
  region net SWO: 27.305,23.495 28.36,23.495 28.745,23.11 28.745,22.395 28.448,22.098 26.924,22.098
  region net SWO: 24.638,23.876 25.4,23.876 25.908,23.368 25.908,22.352 25.654,22.098 24.964,22.098 24.892,22.17
  region net GND: 54.483,31.369 55.118,31.369 55.753,30.734 55.753,29.21 56.388,28.575 58.42,28.575 58.42,27.432 54.483,27.432
L2_GND (plane layer: these items are gaps in the copper):
  lines w0.508: 33.528,10.414 34.163,10.414 37.846,14.097
  lines w1.016: 13.97,17.145 15.494,15.621 28.321,15.621 33.528,10.414
  lines w2.032: 8.89,34.417 8.89,22.098 13.97,17.018 ; 33.655,10.16 40.64,17.145 40.64,32.893

## Silkscreen, mask and mechanical layers (free items; w line width, h text height)
Top Overlay:
  drawing of 22 lines, arcs and shapes, not listed
  text ".project_title  .revision" at 42.434,27.105 h1.5
Bottom Overlay:
  region: 39.497,13.97 38.989,14.478 40.033,14.478
  region: 5.588,7.112 5.588,6.096 6.477,6.985
  text ".project_title  .revision" at 51.952,28.807 h1.5
out line:
  circle w0.1: c1.92,18.05 r0.35
  circle w0.1: c1.92,6.65 r0.45
  circle w0.1: c50.861,10.225 r0.4
  circle w0.1: c49.061,10.225 r0.4
  circle w0.1: c48.111,8.925 r0.4
  circle w0.1: c48.511,7.375 r0.4
  circle w0.1: c49.961,6.725 r0.4
  circle w0.1: c49.961,8.575 r0.4
  circle w0.1: c51.411,7.375 r0.4
  circle w0.1: c51.811,8.925 r0.4
  circle w0.1: c32.432,8.129 r0.6
  circle w0.1: c27.432,3.129 r0.6
  circle w0.1: c22.432,8.129 r0.6
  circle w0.1: c24.632,9.529 r0.4
  circle w0.1: c26.032,10.929 r0.4
  circle w0.1: c28.832,10.929 r0.4
  circle w0.1: c30.232,9.529 r0.4
  circle w0.1: c30.232,6.729 r0.4
  circle w0.1: c28.832,5.329 r0.4
  circle w0.1: c26.032,5.329 r0.4
  circle w0.1: c24.632,6.729 r0.4
  circle w0.1: c3.672,2.681 r0.4
  circle w0.1: c6.147,5.156 r0.4
  circle w0.1: c24.241,28.297 r0.4
  circle w0.1: c24.241,25.797 r0.4
  circle w0.1: c39.45,0 r1.15
  circle w0.1: c0,0 r1.15
  lines w0.1: -2.127,-0.127 ccw(c-0.127,-0.127) -0.127,-2.127 56.873,-2.127 ccw(c56.873,-0.127) 58.873,-0.127 58.873,28.95 58.113,29.71 cw(c57,30) 56.71,31.113 55.95,31.873 -0.127,31.873 ccw(c-0.127,29.873) -2.127,29.873 -2.127,-0.127 ; 43.411,7.375 ccw(c43.711,7.375) 44.011,7.375 44.011,9.775 ccw(c43.711,9.775) 43.411,9.775 43.411,7.375 ; 55.911,7.375 ccw(c56.211,7.375) 56.511,7.375 56.511,9.775 ccw(c56.211,9.775) 55.911,9.775 55.911,7.375
DXF_03012023:
  lines w0.013: 19.557,-2 cw(c26.889,8) 34.221,-2 ; 59.889,5.643 cw(c49.889,8.5) 59.889,11.357
Top DXF_03012023:
  drawing of 1507 lines, arcs and shapes, not listed
Bottom DXF_03012023:
  drawing of 663 lines, arcs and shapes, not listed
DXF_03072023:
  drawing of 884 lines, arcs and shapes, not listed
  text "55.08" at 23.56,50.33 h3.5
  text "11.95" at -23.322,38.85 h3.5 r90
  text "30.00" at 62.943,7.937 h3.5 r90
  text "11.40" at -23.322,5.984 h3.5 r90
  text "17.55" at 41.421,-5.06 h3.5
  text "2.30" at -20.34,-13.914 h3.5 r45
  text "57.00" at 21.415,-14.263 h3.5
Drill Drawing:
  circle w0.254: c206.983,37.571 r0.508
  circle w0.254: c206.983,37.571 r0.847
  circle w0.254: c206.983,14.711 r0.847
  lines w0.254: 206.137,6.244 207.83,6.244 207.83,7.937 206.137,7.937 206.137,6.244 ; 206.137,11.747 207.83,11.747 206.983,10.054 206.137,11.747 ; 206.137,17.674 207.83,17.674 207.83,19.367 206.137,19.367 206.137,17.674 ; 206.137,21.484 206.983,21.907 207.83,21.484 207.407,22.331 207.83,23.177 206.983,22.754 206.137,23.177 206.56,22.331 206.137,21.484 ; 206.137,25.717 206.56,25.717 206.983,25.294 207.407,25.717 207.83,25.717 207.407,26.141 207.83,26.564 207.407,26.564 206.983,26.987 206.56,26.564 206.137,26.564 206.56,26.141 206.137,25.717 ; 206.137,29.104 206.137,29.527 206.56,29.951 206.137,30.374 206.137,30.797 206.56,30.797 206.983,30.374 207.407,30.797 207.83,30.797 207.83,30.374 207.407,29.951 207.83,29.527 207.83,29.104 207.407,29.104 206.983,29.527 206.56,29.104 206.137,29.104 ; 206.137,33.337 206.56,33.337 206.56,32.914 207.407,32.914 207.407,33.337 207.83,33.337 207.83,34.184 207.407,34.184 207.407,34.607 206.56,34.607 206.56,34.184 206.137,34.184 206.137,33.337 ; 206.475,18.013 207.491,18.013 207.491,19.029 206.475,19.029 206.475,18.013
  lines w0.381: 204.618,5.101 479.47,5.101 ; 204.618,39.391 479.47,39.391 ; 218.61,1.291 218.61,43.201 ; 233.338,1.291 233.338,43.201 ; 261.27,1.291 261.27,43.201 ; 274.119,1.291 274.119,43.201 ; 292.758,1.291 292.758,43.201 ; 322.975,1.291 322.975,43.201 ; 337.957,1.291 337.957,43.201 ; 365.635,1.291 365.635,43.201 ; 415.404,1.291 415.404,43.201 ; 443.844,1.291 443.844,43.201 ; 204.618,1.291 479.47,1.291 479.47,43.201 204.618,43.201 204.618,1.291
  text "Symbol" at 206.904,40.534 h1.83
  text "Count" at 219.753,40.534 h1.83
  text "Hole Size" at 234.481,40.534 h1.83
  text "Plated" at 262.413,40.534 h1.83
  text "Hole Type" at 275.262,40.534 h1.83
  text "Drill Layer Pair" at 293.901,40.534 h1.83
  text "Via/Pad" at 324.118,40.534 h1.83
  text "Pad Shape" at 339.1,40.534 h1.83
  text "Template" at 366.778,40.534 h1.83
  text "Hole Length" at 416.547,40.534 h1.83
  text "Routed Path Length" at 444.987,40.534 h1.83
  text "46" at 219.753,36.724 h1.52
  text "8.00mil (0.203mm)" at 234.481,36.724 h1.52
  text "PTH" at 262.413,36.724 h1.52
  text "Round" at 275.262,36.724 h1.52
  text "L1_TOP - L6_BOT" at 293.901,36.724 h1.52
  text "Via" at 324.118,36.724 h1.52
  text "Rounded" at 339.1,36.724 h1.52
  text "(Mixed)" at 366.778,36.724 h1.52
  text "-" at 416.547,36.724 h1.52
  text "-" at 444.987,36.724 h1.52
  text "39" at 219.753,32.914 h1.52
  text "10.00mil (0.254mm)" at 234.481,32.914 h1.52
  text "PTH" at 262.413,32.914 h1.52
  text "Round" at 275.262,32.914 h1.52
  text "L1_TOP - L6_BOT" at 293.901,32.914 h1.52
  text "Via" at 324.118,32.914 h1.52
  text "Rounded" at 339.1,32.914 h1.52
  text "(Mixed)" at 366.778,32.914 h1.52
  text "-" at 416.547,32.914 h1.52
  text "-" at 444.987,32.914 h1.52
  text "76" at 219.753,29.104 h1.52
  text "16.00mil (0.406mm)" at 234.481,29.104 h1.52
  text "PTH" at 262.413,29.104 h1.52
  text "Round" at 275.262,29.104 h1.52
  text "L1_TOP - L6_BOT" at 293.901,29.104 h1.52
  text "Via" at 324.118,29.104 h1.52
  text "Rounded" at 339.1,29.104 h1.52
  text "v76h41" at 366.778,29.104 h1.52
  text "-" at 416.547,29.104 h1.52
  text "-" at 444.987,29.104 h1.52
  text "2" at 219.753,25.294 h1.52
  text "23.62mil (0.600mm)" at 234.481,25.294 h1.52
  text "PTH" at 262.413,25.294 h1.52
  text "Slot" at 275.262,25.294 h1.52
  text "L1_TOP - L6_BOT" at 293.901,25.294 h1.52
  text "Pad" at 324.118,25.294 h1.52
  text "Rounded Rectangle" at 339.1,25.294 h1.52
  text "r400_150h60_300r50m405_155p-1_-1" at 366.778,25.294 h1.52
  text "118.11mil (3.000mm)" at 416.547,25.294 h1.52
  text "94.49mil (2.400mm)" at 444.987,25.294 h1.52
  text "1" at 219.753,21.484 h1.52
  text "27.56mil (0.700mm)" at 234.481,21.484 h1.52
  text "NPTH" at 262.413,21.484 h1.52
  text "Round" at 275.262,21.484 h1.52
  text "L1_TOP - L6_BOT" at 293.901,21.484 h1.52
  text "Pad" at 324.118,21.484 h1.52
  text "Rounded" at 339.1,21.484 h1.52
  text "c70hn70m78" at 366.778,21.484 h1.52
  text "-" at 416.547,21.484 h1.52
  text "-" at 444.987,21.484 h1.52
  text "20" at 219.753,17.674 h1.52
  text "31.50mil (0.800mm)" at 234.481,17.674 h1.52
  text "PTH" at 262.413,17.674 h1.52
  text "Round" at 275.262,17.674 h1.52
  text "L1_TOP - L6_BOT" at 293.901,17.674 h1.52
  text "Pad" at 324.118,17.674 h1.52
  text "Rounded" at 339.1,17.674 h1.52
  text "(Mixed)" at 366.778,17.674 h1.52
  text "-" at 416.547,17.674 h1.52
  text "-" at 444.987,17.674 h1.52
  text "1" at 219.753,13.864 h1.52
  text "35.43mil (0.900mm)" at 234.481,13.864 h1.52
  text "NPTH" at 262.413,13.864 h1.52
  text "Round" at 275.262,13.864 h1.52
  text "L1_TOP - L6_BOT" at 293.901,13.864 h1.52
  text "Pad" at 324.118,13.864 h1.52
  text "Rounded" at 339.1,13.864 h1.52
  text "c90hn90m98" at 366.778,13.864 h1.52
  text "-" at 416.547,13.864 h1.52
  text "-" at 444.987,13.864 h1.52
  text "3" at 219.753,10.054 h1.52
  text "47.24mil (1.200mm)" at 234.481,10.054 h1.52
  text "PTH" at 262.413,10.054 h1.52
  text "Round" at 275.262,10.054 h1.52
  text "L1_TOP - L6_BOT" at 293.901,10.054 h1.52
  text "Pad" at 324.118,10.054 h1.52
  text "Rounded" at 339.1,10.054 h1.52
  text "c200h120m205p-1" at 366.778,10.054 h1.52
  text "-" at 416.547,10.054 h1.52
  text "-" at 444.987,10.054 h1.52
  text "3" at 219.753,6.244 h1.52
  text "90.55mil (2.300mm)" at 234.481,6.244 h1.52
  text "PTH" at 262.413,6.244 h1.52
  text "Round" at 275.262,6.244 h1.52
  text "L1_TOP - L6_BOT" at 293.901,6.244 h1.52
  text "Pad" at 324.118,6.244 h1.52
  text "Rounded" at 339.1,6.244 h1.52
  text "(Mixed)" at 366.778,6.244 h1.52
  text "-" at 416.547,6.244 h1.52
  text "-" at 444.987,6.244 h1.52
  text "191 Total" at 219.753,2.434 h1.52
  text "Slot definitions :" at 206.904,-1.248 h1.52
  text "Routed Path Length" at 233.134,-1.248 h1.52
  text "= Calculated from tool start centre position to tool end centre position." at 261.142,-1.248 h1.52
  text "Hole Length" at 233.134,-3.788 h1.52
  text "= Routed Path Length + Tool Size = Slot length as defined in the PCB layout" at 250.731,-3.788 h1.52

## Text inside footprints (layer, text, board x,y; h text height)
D20: Bottom 3D Body "*" at 40.132,12.802 h1.27 r90
J1: Bottom 3D Body "550910374" at 8.778,9.493 h1.27 r270